# Allegro board AWR1243BOOST-Rev-A.brd (continued)
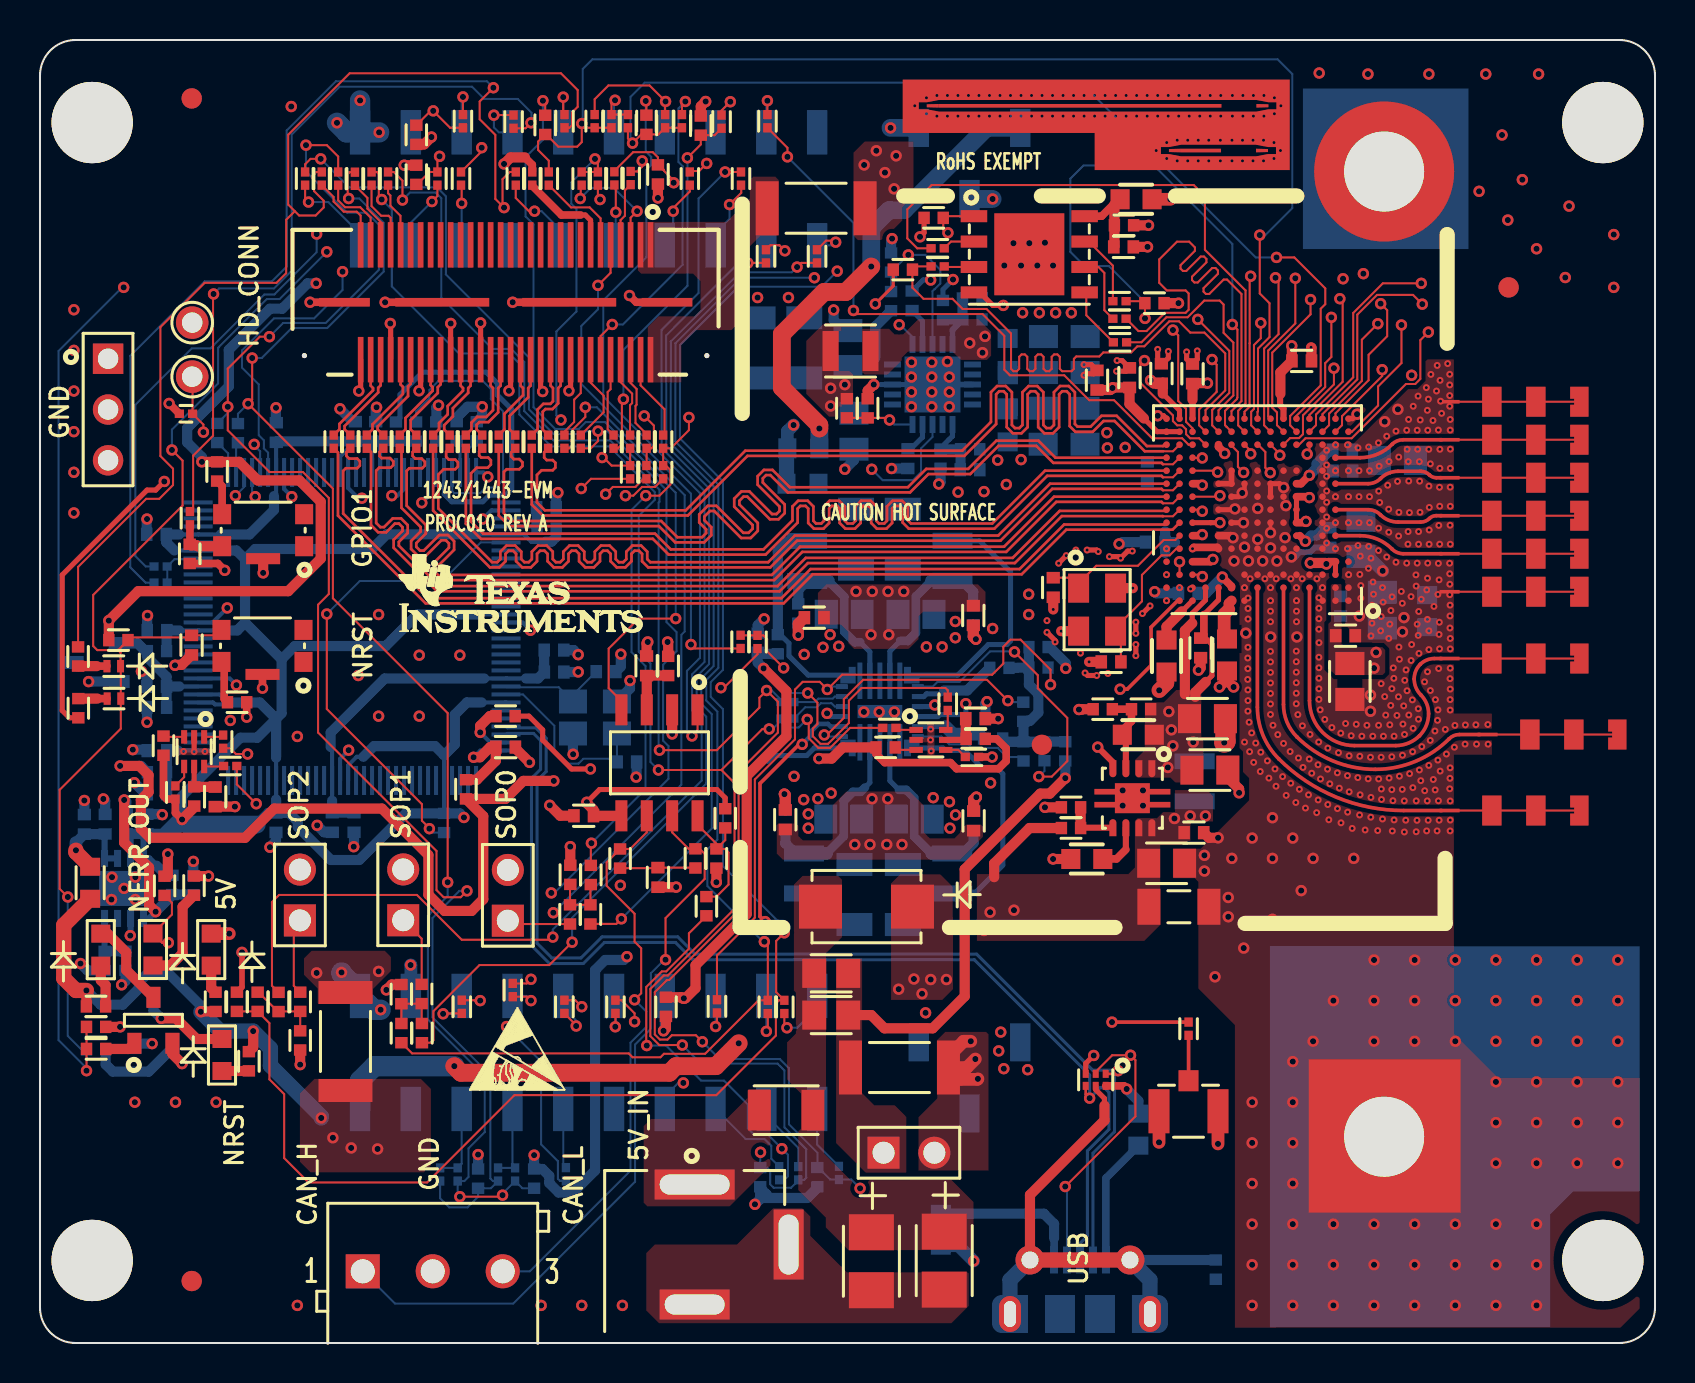
[diagram p0: board, top side]
## Routing (per net, layer and track width the routed paths; a pad name or vN(x,y) marks a point on that pad's centre or on a via; arc(x,y) is an arc through that point) (continued)
UNNAMED_22_RESISTOR_I120_1: length 3.6
  TOP w0.102: U1.7 52.45,55.07 53.66,53.87 R40.1
UNNAMED_25_CAPNONPOLARIZED_I216: length 1.6
  TOP w0.559: v1(37.92,35.39) 37.92,35.96 C86.2
  BOTTOM w0.508: R190.1 v1(37.92,35.39)
UNNAMED_25_CAPNONPOLARIZED_I217: length 1.5
  TOP w0.559: C87.2 46.68,35.32 v1(46.81,35.19)
  BOTTOM w0.559: v1(46.81,35.19) 46.67,35.32 R191.1
UNNAMED_25_CAPNONPOLARIZED_I218: length 1.6
  TOP w0.559: v1(37.23,27.44) 37.27,27.4 C88.2
  BOTTOM w0.559: v1(37.23,27.44) 37.28,27.4 R192.1
UNNAMED_25_CAPNONPOLARIZED_I219: length 1.5
  TOP w0.559: v1(46.83,27.29) 46.69,27.16 C89.2
  BOTTOM w0.559: v1(46.83,27.29) 46.69,27.16 R193.1
UNNAMED_25_P87524BRNFRQ1ES22P_1: length 13
  TOP w0.102: v1(48.41,32.12) 47.36,33.16 41.17,33.16 40.2,32.19 40.2,31.25 39.35,30.4 v1(39.22,30.4)
  BOTTOM w0.102: U8.2 39.31,30.32 v1(39.22,30.4) ; R145.1 48.48,32.04 v1(48.41,32.12)
UNNAMED_25_P87524BRNFRQ1ES22P_2: length 3.5
  BOTTOM w0.254: 45.3,30.82 U8.19
  BOTTOM w0.508: R147.1 46.97,30.44
  BOTTOM w0.635: 46.97,30.44 45.68,30.44 45.3,30.82
UNNAMED_25_P87524BRNFRQ1ES22P_3: length 4.2
  BOTTOM w0.254: 45.22,32.63 45.05,32.46 44.34,32.46 44.2,32.32 U8.16
  BOTTOM w0.508: 45.22,32.63 46.37,32.63 R143.1
UNNAMED_25_P87524BRNFRQ1ES22P_4: length 2.8
  BOTTOM w0.102: R146.2 38.27,31.79 38.86,31.79 39.06,31.99 39.58,31.99 39.75,31.82 U8.5
UNNAMED_25_P87524BRNFRQ1ES22P_5: length 2.5
  BOTTOM w0.102: U8.6 39.75,32.32 39.64,32.22 38.93,32.22 38.76,32.05 R144.2
UNNAMED_25_P87524BRNFRQ1ES22PRE: length 14.8
  TOP w0.102: v1(48.74,34.56) 49.9,33.39 49.9,32.73 51.38,31.25 51.38,29.1 50.6,28.32 v1(49.96,28.32)
  BOTTOM w0.102: v1(48.74,34.56) 48.71,34.58 47.52,34.58 45.99,33.06 44.89,33.06 44.65,32.82 U8.15 ; v1(49.96,28.32) 50.23,28.6 R148.1
UNNAMED_33_CAPNONPOLARIZED_I75_: length 2.8
  TOP w0.508: U3.3 30.35,33.36 C16.2 30.34,33.37 R78.1
UNNAMED_33_CAPNONPOLARIZED_I77_: length 3.8
  TOP w0.102: R85.1 32.76,23.77 C24.2 30.88,23.74 R87.2
UNNAMED_33_OSTTE030161_I26_1: length 37.6
  TOP w0.102: v1(31.29,19.16) 31.29,21.25 33.24,23.2 33.24,24.46 32.99,24.71 R85.2 32.44,24.71 31.62,25.53 U3.7
  BOTTOM w0.102: J3.1 17.76,1.97 23.67,1.97 29.76,8.06 29.76,14.92 30.55,15.71 30.55,18.49 31.22,19.16 v1(31.29,19.16)
UNNAMED_33_OSTTE030161_I26_3: length 28.8
  TOP w0.102: U3.6 30.35,25.53 29.52,24.7 R87.1 28.75,24.44 28.74,24.44 28.71,24.41 28.71,24.4 28.34,24.03 28.34,22.86 29.74,21.46 29.74,20.07 30.07,19.74 30.07,17.49 v1(29.74,17.16)
  BOTTOM w0.102: J3.3 24.5,3.59 29.53,8.62 29.53,15.02 30.32,15.81 30.32,16.57 v1(29.74,17.16)
UNNAMED_33_RESISTOR_I42_1: length 6.9
  TOP w0.102: R86.1 33.83,24.96 32.89,25.91 U3.8 ; R86.1 34.26,24.7 34.44,24.52 34.44,22.92 33.83,22.32 R177.1 ; R86.1 34.27,25.14 R178.2
UNNAMED_34_1050170001_I95_1: length 6.4
  BOTTOM w0.254: 53.31,4.15 J8.1
  BOTTOM w0.381: R161.1 53.31,8.24 53.31,4.15
UNNAMED_34_1050170001_I95_5: length 7.7
  BOTTOM w0.381: 50.72,5.25 50.72,4.15 J8.5
  BOTTOM w0.508: R175.2 50.21,6.46 50.72,5.96 50.72,5.25
UNNAMED_34_1050170001_I95_G1: length 26
  TOP w0.254: U10.5 52.8,12.66 53.24,12.23 53.24,11.87
  TOP w0.508: J8.G2 49.51,7.41 53.24,11.13 53.24,11.87
  TOP w0.762: J8.G2 J8.G1
  BOTTOM w0.508: J8.G1 58.8,4.15 R174.2
  BOTTOM w0.762: J8.G3 55.51,3.15 J8.G1 ; J8.G2 48.51,3.15 J8.G4
UNNAMED_34_CAPNONPOLARIZED_I11_: length 10
  TOP w0.508: v1(5.78,21.56) 5.45,21.89 5.45,23.77 4.21,25.02 v1(4.21,27.15)
  BOTTOM w0.305: U9.5 5.45,21.23 v1(5.78,21.56)
  BOTTOM w0.508: v1(4.21,27.15) 4.24,27.15 4.31,27.07 C78.1 ; v1(5.78,21.56) 6.62,22.4 R156.1 7.66,22.42 R157.2
UNNAMED_34_CAPNONPOLARIZED_I75_: length 5
  TOP w0.762: R176.1 2.51,23.83 1.8,24.54 v1(1.8,24.64)
  BOTTOM w0.305: 3.23,25.42 U9.1 U9.2
  BOTTOM w0.381: 3.23,25.42 C79.2
  BOTTOM w0.508: 1.8,25.02 C80.2 3.25,25.44
  BOTTOM w0.635: v1(1.8,24.64) 1.8,25.02
UNNAMED_35_CAPNONPOLARIZED_I121: length 2.6
  BOTTOM w0.203: U6.68 24.74,40.83 R134.1
  BOTTOM w0.508: R134.1 24.85,41.75 C49.2
UNNAMED_35_CAPNONPOLARIZED_I122: length 9.3
  BOTTOM w0.102: U6.89 24.16,32.43 25.72,30.86 25.72,29.59 26.35,28.97 26.93,28.97 27.17,29.21 28.71,29.21 28.85,29.06 ; 28.85,29.06 C70.2 ; 28.85,29.06 Y2.3
UNNAMED_35_CAPNONPOLARIZED_I123: length 5.6
  BOTTOM w0.102: C63.2 26.65,32.4 Y2.1 25.94,32.79 23.35,32.79 U6.88
UNNAMED_35_CAPNONPOLARIZED_I137: length 5.7
  TOP w0.508: v1(21.69,29.29) 22.01,29.29 22.51,29.79 C71.2 22.8,29.11 21.85,28.17 R154.1
  BOTTOM w0.203: U6.96 22.03,29.63 v1(21.69,29.29)
UNNAMED_35_CAPNONPOLARIZED_I139: length 6.4
  BOTTOM w0.203: U6.9 6.97,32.83
  BOTTOM w0.508: 6.97,32.83 6.34,32.83 C66.2 ; C66.2 6.33,31.78 C67.2 ; C66.2 6.33,33.31 5.37,34.27 R140.1 5.27,34.6 4.89,34.98 U7.1
UNNAMED_35_RESISTOR_I24_2: length 1.6
  BOTTOM w0.102: R125.2 19.81,45.09 U6.59
UNNAMED_35_RESISTOR_I29_1: length 24.2
  TOP w0.102: v1(14.34,36.45) 14.34,31.7 19.1,26.94 19.1,26.12 19.5,25.72 v1(19.48,25.72)
  BOTTOM w0.102: R155.1 19.7,25.52 19.5,25.72 v1(19.48,25.72) ; U6.70 23.31,40.03 22.04,40.03 20.11,38.1 16,38.1 v1(14.34,36.45)
UNNAMED_35_RESISTOR_I77_1: length 1.6
  BOTTOM w0.152: R126.1 21.01,44.93 U6.62
UNNAMED_35_RESISTOR_I78_1: length 17.5
  BOTTOM w0.203: U6.60 20.21,42.45
  BOTTOM w0.254: 20.21,42.45 20.59,42.06 22.14,42.06 22.47,42.39 23.29,42.39 23.59,42.7 23.59,46.69 22.88,47.4 22.88,47.98 22.32,48.54 19.12,48.54 18,47.42 18,46.26 R127.1
UNNAMED_35_RESISTOR_I79_1: length 13.9
  BOTTOM w0.102: U6.61 20.62,43.52 20.62,42.6 20.72,42.49 22.02,42.49 22.29,42.77 22.78,42.77 23.16,43.15 23.16,46.58 22.55,47.19 22.55,47.7 22.14,48.11 19.93,48.11 19.48,47.65 19.48,47.24 18.81,46.58 R124.1
UNNAMED_35_RESISTOR_I80_1: length 1.8
  BOTTOM w0.102: R123.1 21.41,44.67 U6.63
UNNAMED_35_RESISTOR_I83_1: length 2.8
  TOP w0.508: v1(22.02,30.53) 22.02,30.86 22.5,31.34 R152.1
  BOTTOM w0.203: U6.95 22.52,30.03 v1(22.02,30.53)
UNNAMED_35_RESISTOR_I124_2: length 1.7
  BOTTOM w0.102: U6.33 9.41,44.48 R128.2
UNNAMED_35_RESISTOR_I125_2: length 1.5
  BOTTOM w0.102: U6.34 9.81,44.92 R129.2
UNNAMED_35_RESISTOR_I138_2: length 2.5
  BOTTOM w0.102: U6.25 7.87,39.19 6.73,39.19 R135.2 R136.2
UNNAMED_37_RESISTOR_I1_1: length 1.1
  TOP w0.102: R179.1 42.9,29.66 U11.3
UNNAMED_37_RESISTOR_I2_2: length 1
  TOP w0.102: R180.2 42.91,30.66 U11.1
UNNAMED_37_RESISTOR_I6_2: length 1.1
  TOP w0.102: U11.4 45.93,29.66 R181.2
UNNAMED_37_RESISTOR_I7_1: length 1
  TOP w0.102: R182.1 45.4,30.76 U11.6
UNNAMED_37_RESISTOR_I8_1: length 2.1
  TOP w0.305: R183.1 46.27,30.16 U11.5
  TOP w0.508: R183.1 46.3,30.22 C84.2
UNNAMED_37_RESISTOR_I9_1: length 1.1
  TOP w0.102: R184.1 6.22,30.31 U12.3
UNNAMED_37_RESISTOR_I10_2: length 1
  TOP w0.102: R185.2 9.07,30.31 U12.1
UNNAMED_37_RESISTOR_I13_1: length 1
  TOP w0.102: R186.1 9.16,28.83 U12.6
UNNAMED_37_RESISTOR_I14_1: length 2.1
  TOP w0.254: U12.5 7.71,27.81 R187.1
  TOP w0.508: C85.2 8.75,27.81 R187.1
UNNAMED_37_RESISTOR_I15_1: length 1.2
  TOP w0.102: R188.1 7.21,28.3 U12.4
XDSET_1_DM: length 55.9
  TOP w0.132: v1(53.92,13.61) 53.76,13.46 U10.1
  BOTTOM w0.152: J8.2 52.66,9.49 53.74,10.57 53.74,13.44 v1(53.92,13.61) 53.89,13.64 52.65,13.64 46.84,19.44 32.76,19.44 31.9,20.31 28.11,20.31 27.06,19.25 25.6,19.25 24.86,19.99 24.86,28.12 25.32,28.57 25.32,30.24 24.8,30.76 23.38,30.76 U6.93
XDSET_1_DP: length 55.9
  TOP w0.132: v1(52.5,12.24) 52.3,12.44 U10.4
  BOTTOM w0.152: J8.3 52.01,4.98 52.38,5.35 52.38,9.61 53.46,10.68 53.46,12.53 53.23,12.76 53.02,12.76 v1(52.5,12.24) 52.5,13.4 46.73,19.16 32.65,19.16 31.78,20.03 28.23,20.03 27.17,18.97 25.48,18.97 24.58,19.87 24.58,28.23 25.04,28.69 25.04,30.12 24.68,30.48 23.36,30.48 U6.94
XDSET_1_ID: length 52.2
  TOP w0.102: U10.2 52.8,13.56 53.63,14.39 v1(54.54,14.39) 54.79,14.14 54.79,11.33 v1(51.28,7.82)
  TOP w0.254: R152.2 24.45,31.34 25.14,30.66 25.14,30.15 26.59,28.7 v1(27.53,28.7)
  L3 w0.254: v1(54.54,14.39) 53.71,14.39 48.43,19.67 40.66,19.67 34.13,26.2 29.94,26.2 27.53,28.61 v1(27.53,28.7)
  BOTTOM w0.102: J8.4 51.36,7.74 v1(51.28,7.82)
XDSET_1_VBUS: length 76
  TOP w0.381: U10.6 54.22,12.86 54.3,12.78 54.3,12.7 v1(54.35,12.7)
  TOP w0.508: v1(4.01,28.85) 4.97,28.85 5.43,28.4 5.43,27.55 5.04,27.16 5.04,25.72 5.51,25.26 10.26,25.26 11.72,26.72 17.1,26.72 19.42,24.4 19.42,22.42 20.24,21.6 21.58,21.6 22.17,22.19 22.17,26.34 R154.2 23.28,27.21 24.17,28.11 v1(25.7,28.11)
  L3 w0.381: v1(54.35,12.7) 54.29,12.64 53.36,12.64 51.61,14.39 51.61,15.63 48.2,19.04 40.35,19.04 33.72,25.67 29.81,25.67 27.55,27.93 25.88,27.93 v1(25.7,28.11)
  BOTTOM w0.508: v1(54.35,12.7) 54.34,12.7 54.93,12.1 R161.2 ; R151.1 5.06,28.85 v1(4.01,28.85)
XDSET_TCK: length 23.5
  TOP w0.102: v1(28.29,42.44) 28.65,42.8 29.78,42.8 30.19,43.21 R70.2
  L3 w0.127: v1(28.29,42.44) 27.63,43.1 27.6,43.1 26.76,43.94 11.35,43.94 v1(9.77,42.37)
  BOTTOM w0.102: v1(9.77,42.37) 10.21,42.8 U6.35
XDSET_TDI: length 30.6
  TOP w0.102: v1(28.01,57.18) 28.01,57.2 27.9,57.31 R30.2
  L3 w0.127: v1(28.01,57.18) 27.42,56.59 25.66,56.59 24.79,57.45 22.65,57.45 22.48,57.62 20.82,57.62 20.26,57.06 20.26,56.83 19.82,56.39 16.94,56.39 15.13,54.58 v1(15.13,53.57)
  BOTTOM w0.102: U6.38 11.41,44.52 11.2,44.73 11.2,45.14 10.94,45.39 10.94,47.93 10.1,48.77 10.1,49.63 11.7,51.23 13.71,51.23 15.13,52.65 v1(15.13,53.57)
XDSET_TDO: length 23.4
  TOP w0.102: v1(29.28,42.37) 29.67,42.37 30.11,42.8 30.76,42.8 R71.2
  L3 w0.127: v1(29.28,42.37) 28.29,43.36 27.73,43.36 26.84,44.25 11.4,44.25 v1(10.71,44.93)
  BOTTOM w0.102: v1(10.71,44.93) 10.71,44.88 11.01,44.58 U6.37
XDSET_TMS: length 21.9
  TOP w0.102: v1(27.07,42.72) 27.56,43.21 R69.2
  L3 w0.127: v1(10.76,42.32) 12.06,43.61 21.18,43.61 23.03,41.76 26.1,41.76 v1(27.07,42.72)
  BOTTOM w0.102: v1(10.76,42.32) 10.61,42.47 U6.36

## Copper pours and planes (outline as drawn; the poured copper is in the pictures)
5V_IN on TOP: 13.74,13.21 13,12.47 13,9.07 13.53,8.53 19.2,8.53 19.55,8.89 19.55,12.7 19.04,13.21
5V_IN on TOP: 41.29,8.52 43.31,8.52 43.33,8.53 43.33,11.3 42.74,11.89 41.73,11.89 41.12,12.5 41.12,19.22 39.82,19.22 39.82,9.99
5V_IN on TOP: 40.68,55.37 40.91,55.14 42.14,55.14 43.68,56.68 43.68,60.07 41.24,60.07 40.68,59.51
5V_IN on L4: 43.05,10.03 43.05,8.56 42.79,8.31 36.47,8.31 35.05,9.73 30.5,9.73 29.38,8.61 13.48,8.61 13,9.09 13,11.38 14.12,12.5 20.19,12.5 28.29,20.6 28.29,42.34 34.64,48.69 34.64,49.92 34,50.56 34,54.8 39.38,60.17 42.82,60.17 43.4,59.59 43.4,52.55 35.43,44.58 35.43,15.7 37.38,15.7 ; 1 cut-out
5V_UNREG on TOP: 43.94,8.62 43.94,11.29 44.88,12.23 44.88,15.15 45.28,15.56 47.31,15.56 47.44,15.43 47.44,8.62
5V_UNREG on BOTTOM: 37.92,25.46 37.92,27.85 38.52,28.45 38.53,28.45 38.79,28.71 40.79,28.71 40.86,28.79 40.86,30.92 40.88,30.94 41.13,30.94 41.17,30.91 41.17,28.1 40.83,27.76 40.25,27.76 39.86,27.37 39.86,25.46
5V_UNREG on BOTTOM: 39.89,37.6 38.73,37.6 38.73,34.2 40.86,34.2 40.86,32.19 41.13,32.19 41.13,34.53 41.01,34.65 40.76,34.65 39.89,35.52
5V_UNREG on BOTTOM: 45.47,28.45 45.46,28.45 45.19,28.71 43.3,28.71 43.15,28.87 43.15,30.95 42.87,30.95 42.84,30.93 42.84,28.07 42.95,27.97 43.47,27.97 44.09,27.35 44.09,25.46 46.04,25.46 46.07,25.49 46.07,27.84
5V_UNREG on BOTTOM: 44.11,37.63 45.97,37.63 46.06,37.53 46.06,34.99 45.26,34.19 45.27,34.2 43.15,34.2 43.15,32.19 42.87,32.19 42.87,32.91 42.87,32.91 42.87,34.55 43.07,34.75 43.38,34.75 44.11,35.49
5V_UNREG on L4: 38.06,38.24 46.63,38.24 48.21,36.66 48.21,25.15 48.18,25.12 48.18,9.96 46.22,8 44.14,8 43.52,8.62 43.52,10.05 36.64,16.92 36.64,36.83 ; 1 cut-out
GND on TOP (solid shape): 71.05,6.52 63.46,6.52 63.46,14.19 71.05,14.19
GND on TOP (solid shape): 73.1,47.11 74.33,47.11 74.33,47.81 75.3,47.81 75.3,47.11 76.73,47.11 76.73,47.21 76.53,47.21 76.53,47.81 77.45,47.81 77.45,46.31 76.53,46.31 76.53,46.91 76.73,46.91 76.73,47.01 75.3,47.01 75.3,46.31 74.33,46.31 74.33,47.01 73.1,47.01 73.1,46.31 72.13,46.31 72.13,47.01 71,47.01 71,46.97 70,46.97 70,47.15 71,47.15 71,47.11 72.13,47.11 72.13,47.81 73.1,47.81
GND on TOP (solid shape): 73.1,37.61 74.33,37.61 74.33,38.31 75.3,38.31 75.3,37.61 76.73,37.61 76.73,37.71 76.53,37.71 76.53,38.31 77.45,38.31 77.45,36.81 76.53,36.81 76.53,37.41 76.73,37.41 76.73,37.51 75.3,37.51 75.3,36.81 74.33,36.81 74.33,37.51 73.1,37.51 73.1,36.81 72.13,36.81 72.13,37.51 71,37.51 71,37.47 70,37.47 70,37.65 71,37.65 71,37.61 72.13,37.61 72.13,38.31 73.1,38.31
GND on TOP (solid shape): 62.5,58.65 52.75,58.65 52.75,59.8 56.06,59.8 56.06,59.45 56.46,59.45 57.06,59.33 60.82,59.33 61.42,59.45 61.82,59.45 61.82,59.8 61.42,59.8 60.82,59.91 57.06,59.91 56.46,59.8 52.75,59.8 52.75,60.5 43.15,60.5 43.15,62.04 43.95,62.04 43.95,61.69 44.35,61.69 44.95,61.57 60.84,61.57 61.44,61.69 61.84,61.69 61.84,62.04 61.44,62.04 60.84,62.15 44.95,62.15 44.35,62.04 43.15,62.04 43.15,63.17 62.5,63.17
GND on BOTTOM (solid shape): 71.44,54.7 63.16,54.7 63.16,62.73 71.44,62.73
GND on BOTTOM (solid shape): 80,7.58 76.68,7.58 75.53,6.44 75.53,0.79 61.8,0.79 61.8,0.79 61.51,0.79 61.51,19.84 80,19.84
GND on L2 (solid shape): 70.35,55.37 64.13,55.37 64.13,61.65 70.35,61.65
GND on L2 (solid shape): 70.42,7.18 64.19,7.18 64.19,13.45 70.42,13.45
GND on L3 (solid shape): 70.35,55.37 66.33,55.37 64.13,57.57 64.13,61.65 70.35,61.65
GND on TOP: 40.33,27.57 43.5,27.57 44.22,26.86 44.22,25.51 44.49,25.23 45.74,25.23 46.02,25.51 46.02,25.62 46.32,25.92 47.06,25.92 47.16,25.82 47.16,25.31 46.02,24.17 37.15,24.17 36.85,24.47 36.85,25.9 36.93,25.97 37.81,25.97 37.93,25.86 37.93,25.35 38.14,25.13 39.57,25.13 39.64,25.21 39.64,26.89
GND on TOP: 59.76,0.76 59.76,15.9 57.93,17.73 57.93,23.06 57.75,23.24 56.69,23.24 56.66,23.27 56.66,24.71 58.05,24.71 60.47,27.14 60.47,28.24 60.17,28.55 60.17,29.57 59.99,29.74 59.99,36.8 60.01,36.83 60.01,37.87 58.86,39.03 58.86,40.46 58.68,40.64 58.68,44.44 59.67,45.43 59.68,45.43 61.04,46.79 67,46.79 69.39,49.18 70.71,49.18 70.71,31.47 72.61,31.47 72.61,29.41 70.71,29.41 70.71,15.46 72.92,13.26 80,13.26 80,5.76 75.7,4.13 80,2.49 80,1.73 79.04,0.76 ; 18 cut-outs
GND on TOP: 42.56,17.16 45.13,17.16 45.66,17.69 45.66,21.3 45.65,21.31 45.65,22.81 45.03,23.43 43.02,23.43 42.56,22.97
GND on TOP: 43.81,29.32 45.03,29.32 45.03,30.98 43.81,30.98
GND on TOP: 30.32,4.5 30.32,1.63 30.96,0.99 45.59,0.99 46.45,1.85 46.45,3.48 46.4,3.53 40.35,3.53 38.53,5.36 38.53,6.32 38.12,6.73 36.67,6.73 34.87,4.93 30.75,4.93
GND on TOP: 6.88,30.06 6.88,29.12 8.53,29.12 8.53,30.06
GND on TOP: 40.71,34.71 43.45,34.71 43.94,35.19 43.94,36.33 44.16,36.56 47.19,36.56 47.29,36.66 47.29,37.55 46.91,37.93 39.34,37.93 38.91,37.5 38.91,35.93 40.05,35.93 40.43,35.55 40.43,34.99
GND on BOTTOM: 43.39,26.96 43.06,26.96 42.26,27.76 42.13,27.88 42.13,30.94 41.87,30.94 41.87,27.9 40.91,26.93 40.52,26.93 40.52,25.18 39.82,24.48 39.82,23.35 44.05,23.35 44.05,24.52 43.39,25.18
GND on BOTTOM: 53.05,49.76 53.41,50.11 53.41,52.65 53,53.06 48.2,53.06 47.62,52.48 47.62,49.81 47.67,49.76
GND on BOTTOM: 68.35,38.25 65.83,38.25 64.61,39.47 64,39.47 63.62,39.47 63.6,39.5 63.6,39.7 64,40.11 65.14,40.11 65.35,39.9 68.35,39.9
GND on BOTTOM: 39.85,39.27 39.85,38.12 40.55,37.42 40.55,35.69 40.85,35.69 41.79,34.75 41.79,32.19 42.2,32.19 42.2,34.75 43.2,35.76 43.48,35.76 43.48,37.24 44.12,37.88 44.12,39.27
GND on BOTTOM: 58.29,0.83 58.29,7.8 50.84,7.8 50.83,7.81 47.87,7.81 42.59,13.09 42.59,18.66 42.77,18.83 49.89,18.83 51.78,20.73 51.78,34.39 50.39,35.79 50.39,43.74 47.85,43.74 47.56,44.03 47.56,44.41 47.44,44.53 47.44,45.26 47.69,45.52 52.95,45.52 53.49,46.05 62.45,46.05 63.67,47.27 68.19,47.27 68.37,47.09 68.37,46.46 67.56,45.64 67.56,43.38 67.41,43.23 65.37,43.23 65.35,43.26 65.35,45.06 65.09,45.31 64.13,45.31 63.57,44.75 63.57,44.09 63.6,44.07 63.6,37.52 64.46,36.65 66.08,36.65 66.41,36.32 67.84,36.32 68.12,36.6 71.8,36.6 74.16,38.96 74.16,51.52 74.59,51.96 74.59,53.4 73.79,54.2 63.48,54.2 62.96,54.72 62.96,63.79 63.39,64.22 78.99,64.22 79.86,63.35 79.86,62.81 75.7,60.92 80.01,59.39 80.01,5.76 75.7,4.23 79.87,2.35 79.87,1.53 79.17,0.83 ; 2 cut-outs
GND on BOTTOM: 34.66,52.32 34.66,51 34.97,50.7 39.16,50.7 39.44,50.98 39.44,52.27 38.86,52.86 35.2,52.86
GND on L2: 1.78,0.76 1.06,1.06 0.76,1.78 0.76,63.37 0.79,63.59 0.86,63.8 1.23,64.23 1.78,64.39 78.99,64.39 79.71,64.09 80.01,63.37 80.01,1.78 79.91,1.35 79.65,1 79.34,0.82 78.99,0.76 ; 15 cut-outs
GND on L3: 1.78,0.76 1.06,1.06 0.76,1.78 0.76,63.37 1.06,64.09 1.78,64.39 78.99,64.39 79.71,64.09 80.01,63.37 80.01,1.78 79.71,1.06 78.99,0.76 ; 40 cut-outs
GND on L4: 78.99,64.39 79.71,64.09 80.01,63.37 80.01,1.78 79.71,1.06 78.99,0.76 1.78,0.76 1.06,1.06 0.76,1.78 0.76,63.37 1.06,64.09 1.78,64.39 ; 8 cut-outs
GND on L5: 78.99,64.39 79.71,64.09 80.01,63.37 80.01,1.78 79.71,1.06 78.99,0.76 1.78,0.76 1.06,1.06 0.76,1.78 0.76,63.37 1.06,64.09 1.78,64.39
(no net) on L4: 50.06,45.92 44.47,45.92 44.47,40.3 44.79,39.98 51.66,39.98 52.46,40.78 55.56,40.78 56.36,39.98 58.34,39.98 58.59,40.23 58.59,40.59 58.29,40.89 57.88,40.89 57.52,41.25 57.52,44.55 57.83,44.86 58.44,44.86 58.79,44.5 58.79,44.25 59,44.04 59.46,44.04 59.76,44.35 59.76,45.11 60.29,45.64 61.77,45.64 63.57,47.45 63.57,50.85 63.27,51.16 62.27,51.16 61.04,49.92 61.04,48.8 59.74,47.5 57.7,47.5 55.85,49.35 53.49,49.35
AR_1P3_RF1 on BOTTOM: 47.62,46.15 47.34,45.87 47.34,43.31 46.71,43.31 46.71,45.06 46.27,45.5 46.27,47.5 46.22,47.55 47.64,47.55 47.86,47.33 53.95,47.33 54.83,48.21 61.69,48.21 62.91,49.43 69.84,49.43 70.58,48.69 70.58,41.61 69.97,41 67.96,41 66.95,42.01 64.05,42.01 63.7,41.66 63.7,41.05 63.47,40.82 63.14,40.82 63.01,40.94 63.01,42.37 63.27,42.62 63.6,42.62 64.36,43.38 64.36,43.94 64.97,43.94 64.97,43.1 65.04,43.03 67.74,43.03 68.19,43.48 68.19,44.96 68.5,45.26 68.5,47.22 68.29,47.42 63.49,47.42 62.24,46.16 60.79,46.16 60.78,46.15
AR_1P3_RF2 on TOP: 47.36,49.16 47.57,49.36 47.57,50.56 46.83,51.3 44.04,51.3 43.17,50.43 42.74,50.43 42.46,50.71 41.12,50.71 41.12,48.55 41.24,48.43 42.39,48.43 43.1,49.14 43.1,49.26 43.4,49.57 45.64,49.57 46.04,49.16
AR_1P3_RF2 on BOTTOM: 53.74,47.83 54.34,48.44 61.49,48.44 62.71,49.66 70.43,49.66 71.22,48.87 71.22,40.61 68.73,38.13 65.47,38.13 64.69,38.91 64.69,39.01 64.46,39.24 63.37,39.24 63.24,39.12 63.24,38.07 64.28,37.03 66.31,37.03 66.41,36.93 70.81,36.93 73.4,39.52 73.4,50.93 70.53,53.8 67.13,53.8 65.32,51.99 60.93,51.99 59.38,50.44 54.27,50.44 52.93,49.1 47.8,49.1 47.8,49.39 47.54,49.64 47.54,50.89 47.42,51.02 47.42,52.54 46.81,52.54 46.81,50.75 46.2,50.14 46.2,48.29 46.22,48.27 47.33,48.27 47.77,47.83
AR_1V8 on TOP: 55.26,29.64 55.26,32.03 56.2,32.03 56.83,32.65 57.87,32.65 58.08,32.44 58.08,30.3 58.19,30.2 58.19,27.91 56.89,27.91 56.53,28.27 54.88,28.27 54.78,28.37 54.78,29.17
AR_1V8 on BOTTOM: 52.9,42.44 52.9,35.69 54.55,34.04 54.55,30.02 56.11,28.47 57.12,28.47 57.25,28.35 58.77,28.35 58.77,30.7 58.25,31.21 57.56,31.21 56.08,32.69 56.08,36.21 58.24,38.37 58.24,38.84 58.9,38.84 59.05,38.99 59.05,43.23 58.67,43.61 56.08,43.61 55.82,43.36 53.82,43.36
AR_1V8 on BOTTOM: 64.18,41.35 64.18,40.46 64.84,40.46 64.92,40.54 66.8,40.54 66.8,41.78 64.61,41.78
AR_1V8 on L4: 54,36.73 53.49,36.22 53.49,30.65 53.74,30.39 53.74,29.25 54.6,28.38 61.56,28.38 66.54,33.36 66.54,37.12 66.57,37.12 67.68,38.24 67.68,39.18 66.54,40.32 66.54,44.32 66.36,44.5 63.16,44.5 63.06,44.4 63.06,40.73 63,40.67 63,39.87 63.35,39.51 63.7,39.51 63.75,39.46 64.59,39.46 64.97,39.08 64.97,38.8 64.61,38.44 63.32,38.44 63.3,38.46 62.5,38.46 60.88,36.83 56.47,36.83 56.38,36.73
AR_VOUT_PA on TOP: 64.62,37.95 64.56,37.88 64.56,36.91 64.56,36.09 64.43,35.96 64.43,33.76 64.79,33.4 67.15,33.4 67.28,33.53 67.28,34.65 67.13,34.8 65.25,34.8 65.09,34.95 65.09,37.91 65.06,37.95
AR_VOUT_PA on BOTTOM: 70,36.25 70,34.24 69.16,33.4 64.61,33.4 64.51,33.5 64.51,34.62 64.66,34.77 68.37,34.77 68.88,35.28 68.88,36.25
MCU_5V on TOP: 13.2,19.23 13.2,18.41 13.89,17.73 13.89,16.99 13.91,16.97 16.63,16.97 16.66,16.99 16.66,17.7 17.55,18.59 17.55,19.3 17.24,19.61 13.58,19.61
MCU_5V on BOTTOM: 13.15,19.16 13.15,16.7 13.94,15.91 17.37,15.91 17.44,15.99 17.44,16.83 16.83,17.44 16.83,17.95 17.27,18.38 17.27,19.14 17.11,19.29 13.28,19.29
MCU_5V on BOTTOM: 47.47,16.21 47.47,13.39 47.9,12.95 50.41,12.95 50.64,13.18 50.64,16.31 50.41,16.54 47.8,16.54
MCU_5V on L3: 19.04,10.31 47.95,10.31 49.93,12.29 49.93,15.32 48.86,16.38 47.82,16.38 47.52,16.08 47.52,12.88 47.09,12.45 46.32,12.45 45.57,13.2 43.11,13.2 42.59,13.72 26.74,13.72 25.65,12.62 22.32,12.62 17.67,17.27 17.67,18.95 17.34,19.28 13.18,19.28 12.9,19 12.9,16.46
Net_37 on TOP (solid shape): 59.09,61.77 44.95,61.77 44.95,61.95 59.09,61.95
PMIC_1V2 on L4 (solid shape): 63.57,50.85 63.57,47.45 62.01,45.89 61.35,45.89 61.11,45.64 60.29,45.64 59.76,45.11 59.76,44.35 59.46,44.04 59,44.04 58.79,44.25 58.79,44.5 58.44,44.86 57.83,44.86 57.52,44.55 57.52,41.25 57.88,40.89 58.29,40.89 58.59,40.59 58.59,40.23 58.34,39.98 56.36,39.98 55.56,40.78 52.46,40.78 51.66,39.98 44.79,39.98 44.47,40.3 44.47,42.57 44.47,42.59 44.48,42.61 44.49,42.64 44.52,42.66 44.55,42.67 44.58,42.67 44.61,42.67 44.63,42.65 44.66,42.62 44.71,42.59 44.76,42.56 44.82,42.53 44.88,42.52 44.94,42.51 45,42.52 45.06,42.53 45.11,42.54 45.17,42.57 45.22,42.6 45.26,42.64 45.3,42.69 45.33,42.74 45.36,42.79 45.38,42.85 45.39,42.91 45.39,42.97 45.38,43.03 45.37,43.09 45.35,43.14 45.32,43.19 45.28,43.24 45.24,43.28 45.19,43.32 45.14,43.35 45.08,43.37 45.02,43.38 44.96,43.39 44.89,43.39 44.87,43.41 44.85,43.43 44.84,43.45 44.83,43.48 44.83,43.5 44.83,43.53 44.86,43.56 45.47,44.18 47.46,44.18 47.46,44.12 47.47,44.06 47.49,44 47.51,43.94 47.54,43.89 47.58,43.85 47.62,43.81 47.67,43.77 47.72,43.74 47.78,43.72 47.84,43.71 47.9,43.71 47.96,43.71 48.02,43.72 48.07,43.74 48.13,43.77 48.17,43.81 48.22,43.85 48.26,43.89 48.29,43.94 48.31,44 48.33,44.06 48.33,44.12 48.33,44.2 48.63,44.2 48.63,44.14 48.64,44.08 48.65,44.02 48.68,43.97 48.71,43.92 48.75,43.87 48.79,43.83 48.84,43.8 48.89,43.77 48.95,43.75 49.01,43.74 49.07,43.73 49.13,43.74 49.18,43.75 49.24,43.77 49.29,43.8 49.34,43.83 49.39,43.87 49.42,43.92 49.46,43.97 49.48,44.02 49.5,44.08 49.5,44.14 49.5,44.2 49.5,44.26 49.48,44.32 49.46,44.37 49.42,44.42 49.39,44.47 49.34,44.51 49.29,44.54 49.24,44.57 49.18,44.59 49.13,44.6 49.07,44.61 49.01,44.6 48.95,44.59 48.89,44.57 48.84,44.54 48.79,44.51 48.75,44.47 48.71,44.42 48.68,44.37 48.65,44.32 48.64,44.26 48.63,44.2 48.33,44.2 48.33,44.23 48.31,44.29 48.29,44.35 48.26,44.4 48.22,44.44 48.17,44.48 48.13,44.52 48.07,44.55 48.02,44.57 47.96,44.58 47.9,44.58 47.84,44.58 47.78,44.57 47.72,44.55 47.67,44.52 47.62,44.48 47.58,44.44 47.54,44.4 47.51,44.35 47.49,44.29 47.47,44.23 47.46,44.18 45.47,44.18 46.84,45.54 52.92,45.54 52.92,45.48 52.93,45.42 52.95,45.37 52.97,45.31 53,45.26 53.04,45.22 53.08,45.17 53.09,45.14 53.09,45.11 53.09,45.09 53.05,45.03 53.01,44.98 52.98,44.93 52.96,44.88 52.95,44.82 52.95,44.76 52.95,44.71 52.96,44.65 52.98,44.59 53,44.54 53.03,44.49 53.07,44.45 53.12,44.41 53.16,44.38 53.22,44.35 53.27,44.33 53.33,44.32 53.39,44.32 53.44,44.32 53.5,44.33 53.56,44.35 53.61,44.38 53.66,44.41 53.7,44.45 53.74,44.49 53.78,44.55 53.81,44.56 53.83,44.57 53.86,44.56 53.89,44.55 53.94,44.5 53.98,44.46 54.02,44.42 54.07,44.39 54.13,44.37 54.18,44.35 54.24,44.34 54.3,44.34 54.36,44.35 54.41,44.37 54.47,44.39 54.52,44.42 54.57,44.45 54.61,44.5 54.64,44.54 54.67,44.59 54.69,44.65 54.7,44.71 54.71,44.76 54.71,44.82 54.7,44.88 54.68,44.94 54.66,44.99 54.63,45.04 54.59,45.08 54.55,45.12 54.5,45.16 54.45,45.18 54.39,45.2 54.33,45.21 54.28,45.22 54.22,45.21 54.16,45.2 54.1,45.18 54.05,45.16 54,45.12 53.96,45.09 53.92,45.04 53.88,44.99 53.85,44.97 53.82,44.97 53.8,44.97 53.77,44.98 53.66,45.11 53.65,45.13 53.65,45.16 53.66,45.18 53.7,45.24 53.73,45.29 53.76,45.34 53.78,45.4 53.79,45.45 53.8,45.51 53.79,45.57 53.78,45.63 53.76,45.68 53.74,45.74 53.7,45.79 53.67,45.83 53.62,45.87 53.57,45.9 53.52,45.92 53.46,45.94 53.4,45.95 53.34,45.95 53.29,45.95 53.23,45.93 53.17,45.91 53.12,45.89 53.07,45.85 53.03,45.81 53,45.76 52.97,45.71 52.94,45.66 52.93,45.6 52.92,45.54 46.84,45.54 47.22,45.92 50.06,45.92 50.5,46.36 55.41,46.36 55.41,46.3 55.43,46.24 55.45,46.18 55.47,46.12 55.51,46.07 55.55,46.02 55.59,45.98 55.65,45.94 55.7,45.92 55.76,45.89 55.82,45.88 55.88,45.87 55.95,45.88 56.01,45.89 56.07,45.9 56.13,45.93 56.18,45.96 56.23,46 56.27,46.05 56.31,46.1 56.34,46.15 56.36,46.21 56.38,46.27 56.39,46.33 56.39,46.39 56.38,46.46 56.36,46.52 56.34,46.57 56.31,46.63 56.27,46.68 56.23,46.72 56.18,46.76 56.13,46.8 56.07,46.82 56.01,46.84 55.95,46.85 55.88,46.85 55.82,46.85 55.76,46.83 55.7,46.81 55.65,46.78 55.59,46.74 55.55,46.7 55.51,46.65 55.47,46.6 55.45,46.55 55.43,46.49 55.41,46.43 55.41,46.36 50.5,46.36 53.49,49.35 54.71,49.35 54.73,49.35 54.76,49.34 54.78,49.33 54.8,49.3 54.81,49.27 54.82,49.24 54.81,49.2 54.8,49.14 54.8,49.08 54.81,49.02 54.83,48.97 54.85,48.91 54.89,48.86 54.92,48.82 54.97,48.78 55.01,48.75 55.07,48.72 55.12,48.7 55.18,48.69 55.24,48.69 55.3,48.69 55.35,48.7 55.41,48.72 55.46,48.75 55.51,48.78 55.55,48.82 55.59,48.86 55.62,48.91 55.65,48.97 55.67,49.02 55.67,49.08 55.68,49.14 55.67,49.2 55.66,49.24 55.66,49.27 55.67,49.3 55.69,49.33 55.72,49.34 55.75,49.35 55.85,49.35 57.58,47.62 57.6,47.58 57.64,47.51 57.69,47.44 57.75,47.38 57.81,47.32 57.87,47.27 57.95,47.22 58.02,47.18 58.1,47.15 58.18,47.13 58.26,47.11 58.35,47.1 58.39,47.1 59.38,47.1 60.26,47.99 60.29,48.01 60.33,48.07 60.38,48.13 60.4,48.16 61.04,48.8 61.04,49.92 62.27,51.16 63.27,51.16
PMIC_1V2 on BOTTOM: 42.24,41.12 42.24,42.96 45.19,42.96 45.2,42.97 47.61,42.97 48.05,43.41 49.55,43.41 49.55,40.39 48.86,39.7 46.65,39.7 46.63,39.68 44.64,39.68 44.63,39.69 44.63,40.56 44.06,41.12
PMIC_1V8 on TOP: 38.32,50.1 38.32,47.41 39.41,46.32 39.74,46.32 39.95,46.52 39.95,46.82 40.51,46.82 40.66,46.98 40.66,48.43 40.07,49.01 40.07,50.84 39.95,50.97 39.19,50.97
PMIC_1V8 on BOTTOM: 39.03,48.84 39.59,49.4 42.79,49.4 43.07,49.12 43.07,48.26 42.18,48.26 42.03,48.41 41.32,48.41 41.14,48.23 41.14,47.73 41.4,47.47 42.08,47.47 42.18,47.57 43.07,47.57 43.07,46.3 42.72,45.95 37.2,45.95 36.54,45.29 36.54,24.57 37.21,23.91 37.22,23.92 39.22,23.92 39.23,23.91 39.23,22.12 39.85,21.5 41.62,21.5 41.62,20.36 37.52,20.36 35.12,22.76 35.12,23.29 34.39,24.03 34.39,48.56 34.66,48.84
PMIC_2V3 on TOP: 54.76,26.11 54.89,26.24 55.85,26.24 55.85,26.23 56.25,26.63 56.46,26.63 56.76,26.94 56.71,26.99 56.71,27.57 56.79,27.65 58.36,27.65 58.67,27.34 58.67,26.1 58.64,26.07 57.65,26.07 57.54,25.96 57.54,25.11 56.23,25.11 56.03,24.9 56.03,20.9 55.23,20.1 46.86,20.1 46.86,23.44 54.43,23.44 54.76,23.77
PMIC_2V3 on BOTTOM: 56.38,27.47 56.38,25.67 58.97,25.67 58.97,27.47
PMIC_2V3 on BOTTOM: 42.23,21.5 42.23,20.09 49.28,20.09 49.73,20.54 49.73,22.26 49.12,22.87 46.64,22.87 46.63,22.89 44.63,22.89 44.62,22.87 44.62,22.07 44.05,21.5
PMICOUT_3V3 on BOTTOM: 41.73,41.12 41.73,42.95 41.01,42.95 40.49,43.47 38.47,43.47 38.47,43.08 38.47,43.07 38.47,42.55 37.36,41.45 37.36,39.69 37.38,39.68 39.37,39.68 39.38,39.69 39.38,40.58 39.92,41.12
RX1 on TOP (solid shape): 73.1,45.21 74.33,45.21 74.33,45.91 75.3,45.91 75.3,45.21 76.73,45.21 76.73,45.31 76.53,45.31 76.53,45.91 77.45,45.91 77.45,44.41 76.53,44.41 76.53,45.01 76.73,45.01 76.73,45.11 75.3,45.11 75.3,44.41 74.33,44.41 74.33,45.11 73.1,45.11 73.1,44.41 72.13,44.41 72.13,45.11 71,45.11 71,45.07 70,45.07 70,45.25 71,45.25 71,45.21 72.13,45.21 72.13,45.91 73.1,45.91
RX2 on TOP (solid shape): 73.1,43.31 74.33,43.31 74.33,44.01 75.3,44.01 75.3,43.31 76.73,43.31 76.73,43.41 76.53,43.41 76.53,44.01 77.45,44.01 77.45,42.51 76.53,42.51 76.53,43.11 76.73,43.11 76.73,43.21 75.3,43.21 75.3,42.51 74.33,42.51 74.33,43.21 73.1,43.21 73.1,42.51 72.13,42.51 72.13,43.21 71,43.21 71,43.17 70,43.17 70,43.35 71,43.35 71,43.31 72.13,43.31 72.13,44.01 73.1,44.01
RX3 on TOP (solid shape): 73.1,41.41 74.33,41.41 74.33,42.11 75.3,42.11 75.3,41.41 76.73,41.41 76.73,41.51 76.53,41.51 76.53,42.11 77.45,42.11 77.45,40.61 76.53,40.61 76.53,41.21 76.73,41.21 76.73,41.31 75.3,41.31 75.3,40.61 74.33,40.61 74.33,41.31 73.1,41.31 73.1,40.61 72.13,40.61 72.13,41.31 71,41.31 71,41.27 70,41.27 70,41.45 71,41.45 71,41.41 72.13,41.41 72.13,42.11 73.1,42.11
RX4 on TOP (solid shape): 73.1,39.51 74.33,39.51 74.33,40.21 75.3,40.21 75.3,39.51 76.73,39.51 76.73,39.61 76.53,39.61 76.53,40.21 77.45,40.21 77.45,38.71 76.53,38.71 76.53,39.31 76.73,39.31 76.73,39.41 75.3,39.41 75.3,38.71 74.33,38.71 74.33,39.41 73.1,39.41 73.1,38.71 72.13,38.71 72.13,39.41 71,39.41 71,39.37 70,39.37 70,39.55 71,39.55 71,39.51 72.13,39.51 72.13,40.21 73.1,40.21
TX1 on TOP (solid shape): 73.1,34.27 74.33,34.27 74.33,34.97 75.3,34.97 75.3,34.27 76.73,34.27 76.73,34.37 76.53,34.37 76.53,34.97 77.45,34.97 77.45,33.47 76.53,33.47 76.53,34.07 76.73,34.07 76.73,34.17 75.3,34.17 75.3,33.47 74.33,33.47 74.33,34.17 73.1,34.17 73.1,33.47 72.13,33.47 72.13,34.17 71,34.17 71,34.13 70,34.13 70,34.31 71,34.31 71,34.27 72.13,34.27 72.13,34.97 73.1,34.97
TX2 on TOP (solid shape): 75,30.47 76.23,30.47 76.23,31.17 77.2,31.17 77.2,30.47 78.63,30.47 78.63,30.57 78.43,30.57 78.43,31.17 79.35,31.17 79.35,29.67 78.43,29.67 78.43,30.27 78.63,30.27 78.63,30.37 77.2,30.37 77.2,29.67 76.23,29.67 76.23,30.37 75,30.37 75,29.67 74.03,29.67 74.03,30.37 72.9,30.37 72.9,30.33 71.9,30.33 71.9,30.51 72.9,30.51 72.9,30.47 74.03,30.47 74.03,31.17 75,31.17
TX3 on TOP (solid shape): 73.1,26.67 74.33,26.67 74.33,27.37 75.3,27.37 75.3,26.67 76.73,26.67 76.73,26.77 76.53,26.77 76.53,27.37 77.45,27.37 77.45,25.87 76.53,25.87 76.53,26.47 76.73,26.47 76.73,26.57 75.3,26.57 75.3,25.87 74.33,25.87 74.33,26.57 73.1,26.57 73.1,25.87 72.13,25.87 72.13,26.57 71,26.57 71,26.53 70,26.53 70,26.71 71,26.71 71,26.67 72.13,26.67 72.13,27.37 73.1,27.37
UNNAMED_6_QSH03001XD_I1_1 on TOP: 29.89,56.06 29.89,53.64 30.07,53.47 32.66,53.47 33.04,53.09 33.04,51.64 32.73,51.33 30.93,51.33 30.4,50.8 30.4,48.03 32.07,48.03 32.07,49.91 32.81,50.65 34.59,50.65 34.89,50.95 34.89,54.23 36.04,55.37 36.93,55.37 36.95,55.4 36.95,58.14 36.77,58.32 35.68,58.32 35.5,58.14 35.5,57.23 34.33,56.06
